# Altium PCB Davinci Resolve Editor Keyboard 4.PcbDoc
Units mm, origin at the board's own origin, x right, y up, seen from the top; angles counter-clockwise.
Board outline 162 x 124.18 mm, 2 copper layers (Top Layer, Bottom Layer); 196 components, 86 nets, 494 pads, 0 vias.
Unrouted connection lines stored in the file: 326.
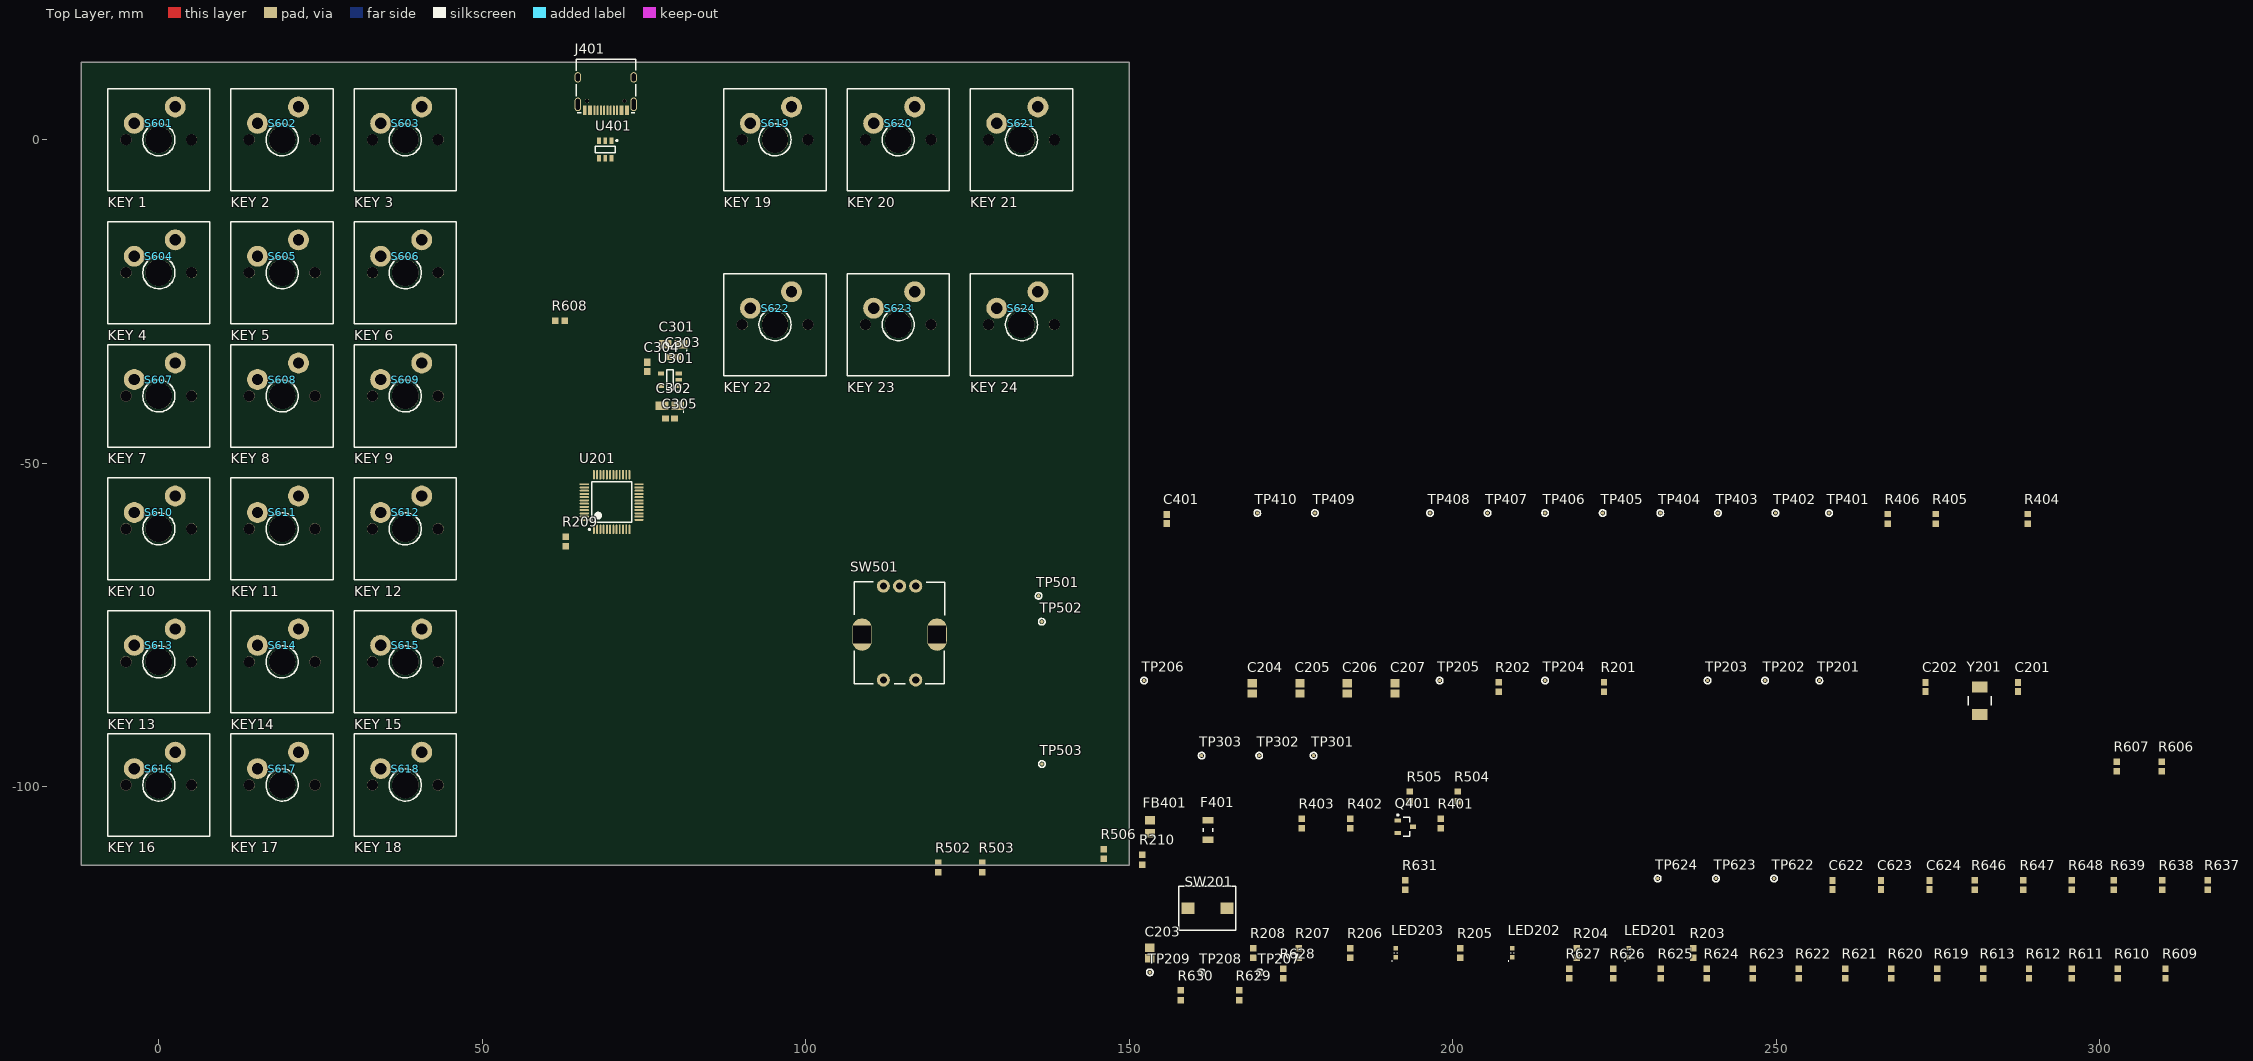
[diagram p0: Top Layer view]
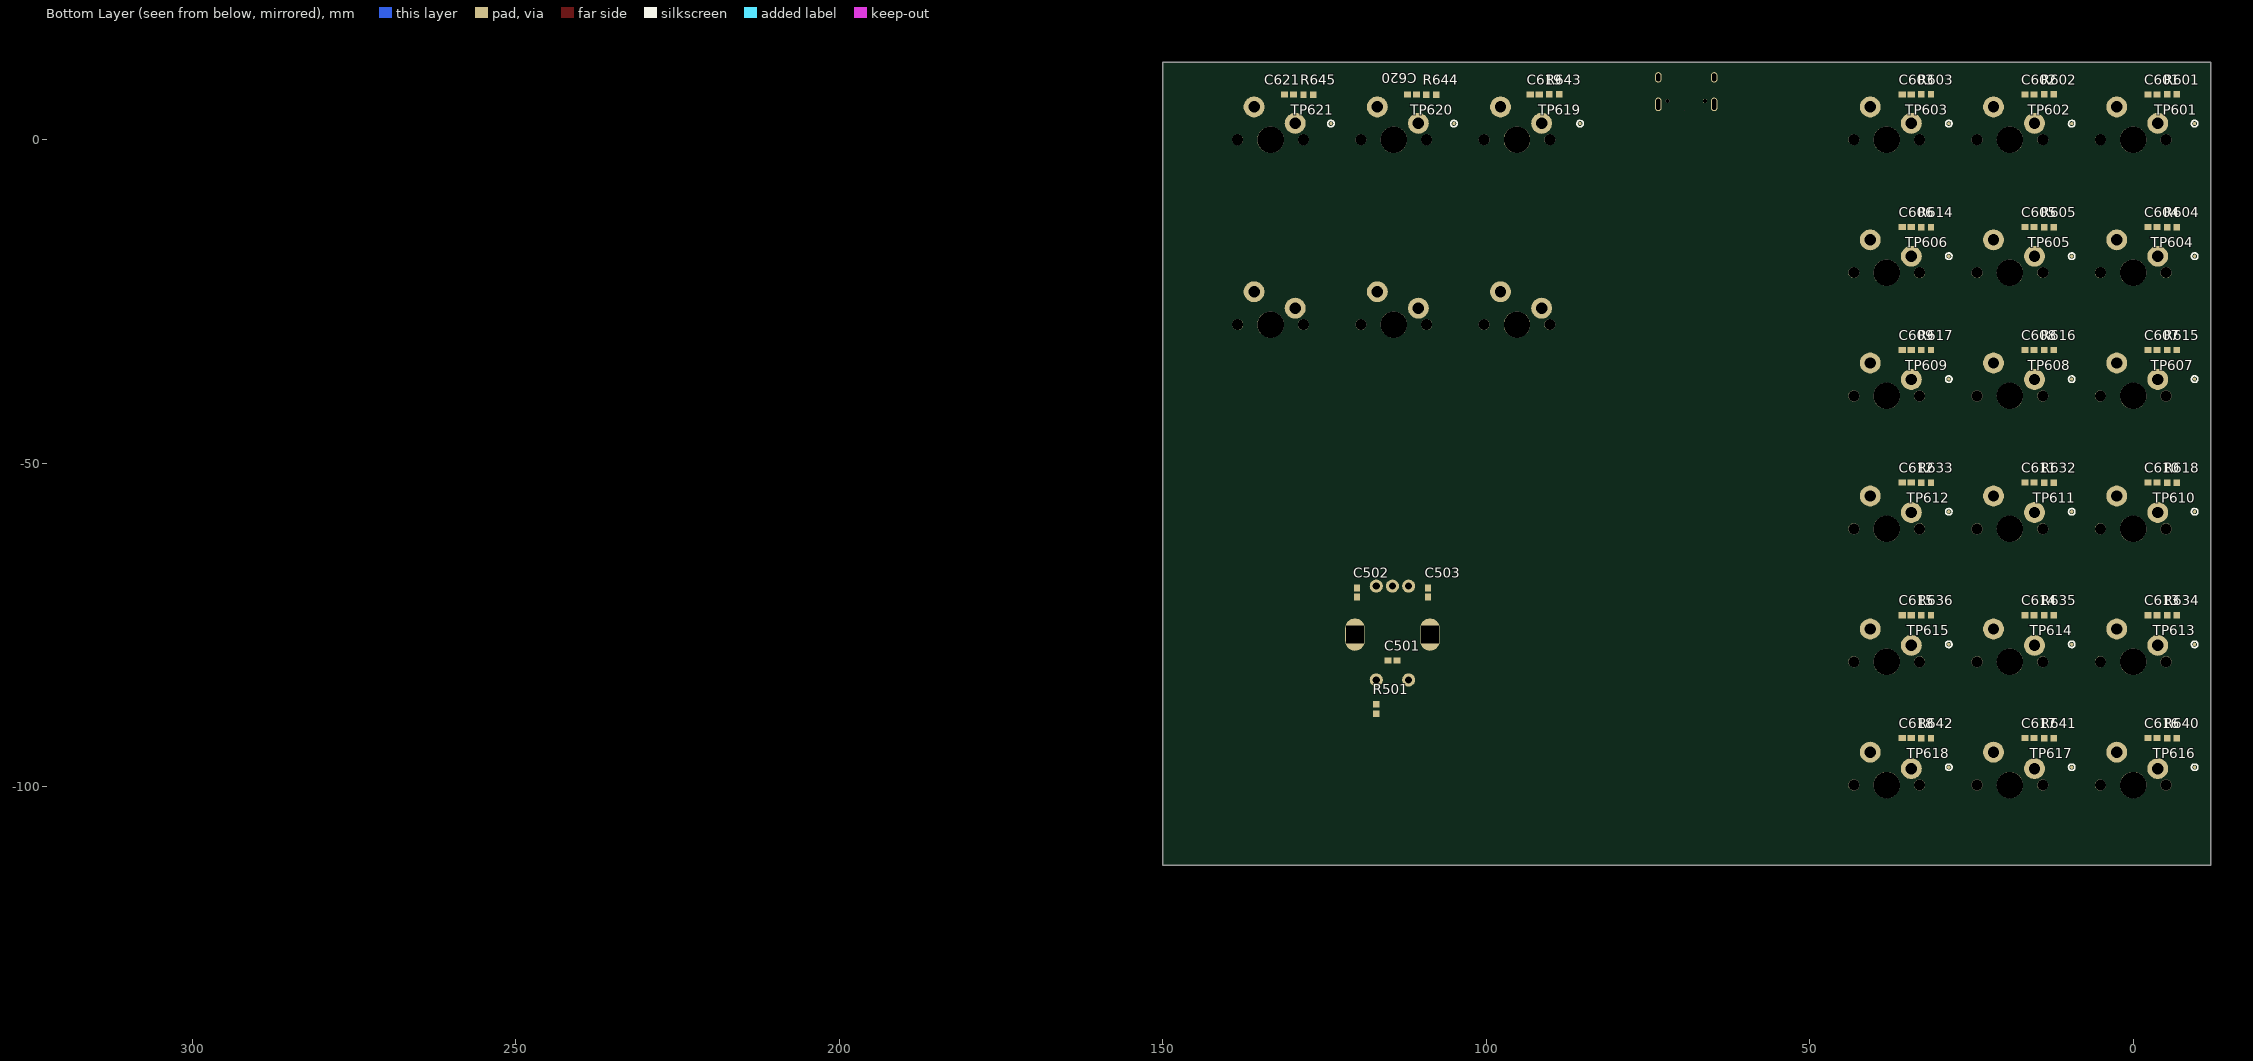
[diagram p1: Bottom Layer view, seen from below]

## Layer stack, top to bottom
Top Solder: solder mask 0.0102, Solder Resist, Dk 3.5
Top Layer: signal copper 0.0356
Dielectric 1: dielectric 0.32, FR-4, Dk 4.8
Bottom Layer: signal copper 0.0356
Bottom Solder: solder mask 0.0102, Solder Resist, Dk 3.5

## Board outline
-12,-112.179 -12,12 150,12 150,-112.179

## Design rules (kind name [scope] priority, off if disabled: settings)
Clearance [All] p1: gap=0.1 ignorepadtopadclearanceinfootprint=TRUE
ComponentClearance [All] p1: gap=0 collisioncheckmode=3 verticalgap=0 showdistances=FALSE
PolygonConnect [All] p1: connectstyle=Relief reliefconductorwidth=0.254 reliefentries=4 polygonreliefangle="90 Angle" airgapwidth=0.254
RoutingVias [All] p1: holewidth=0.711 width=1.27 viastyle="Through Hole" minholewidth=0.711 minwidth=1.27 maxholewidth=0.711 maxwidth=1.27
SolderMaskExpansion [All] p1: expansion=0.102 istentingtop=FALSE
Width [All] p1: maxlimit=0.2 minlimit=0.2 preferedwidth=0.2 minimp=50.000000 maximp=50.000000 favimp=50.000000
Width 5V_bus [InNet('+5V_VBUS')] p2: maxlimit=0.6 minlimit=0.3 preferedwidth=0.5
Width 5V_usb [InNet('+5V_USB')] p3: maxlimit=0.6 minlimit=0.3 preferedwidth=0.5
Width 3V3 [InNet('+3V3')] p4: maxlimit=0.6 minlimit=0.3 preferedwidth=0.5
29 further rules are at their usual default settings.

## Classes and differential pairs
component class U_USB: C401 F401 FB401 J401 Q401 R401 R402 R403 R404 R405 R406 TP401 TP402 TP403 TP404 TP405 TP406 TP407 TP408 TP409 TP410 U401
component class U_MCU: C201 C202 C203 C204 C205 C206 C207 LED201 LED202 LED203 R201 R202 R203 R204 R205 R206 R207 R208 R209 R210 SW201 TP201 TP202 TP203 TP204 TP205 TP206 TP207 TP208 TP209 U201 Y201
component class U_LDO: C301 C302 C303 C304 C305 TP301 TP302 TP303 U301
component class U_Encoder: C501 C502 C503 R501 R502 R503 R504 R505 R506 SW501 TP501 TP502 TP503
component class U_Buttons: C601 C602 C603 C604 C605 C606 C607 C608 C609 C610 C611 C612 C613 C614 C615 C616 C617 C618 C619 C620 C621 C622 C623 C624 R601 R602 R603 R604 R605 R606 R607 R608 R609 R610 R611 R612 R613 R614 R615 R616 R617 R618 R619 R620 R621 R622 R623 R624 R625 R626 R627 R628 R629 R630 R631 R632 R633 R634 R635 R636 R637 R638 R639 R640 R641 R642 R643 R644 R645 R646 R647 R648 S601 S602 S603 S604 S605 S606 S607 S608 S609 S610 S611 S612 S613 S614 S615 S616 S617 S618 S619 S620 S621 S622 S623 S624 TP601 TP602 TP603 TP604 TP605 TP606 TP607 TP608 TP609 TP610 TP611 TP612 TP613 TP614 TP615 TP616 TP617 TP618 TP619 TP620 TP621 TP622 TP623 TP624

## Components (designator, comment, footprint, x,y, rotation, side; value= is the part's Value field where it differs from the comment)
C201 "CAP-12P" CAPC0603 287.399,-84.6 r90 top
C202 "CAP-12P" CAPC0603 273.099,-84.6 r90 top
C203 "CAP-1U" CAPC0805 153.2,-125.7 r90 top
C204 "CAP-1U" CAPC0805 169,-84.8 r90 top
C205 "CAP-1U" CAPC0805 176.4,-84.8 r90 top
C206 "CAP-1U" CAPC0805 183.7,-84.8 r90 top
C207 "CAP-1U" CAPC0805 191.1,-84.8 r90 top
C301 "CAP-10U-6V3_A" CAPMP-A-1206-3216X18 79.5,-31.6 r180 top
C302 "CAP-10U-6V3_A" CAPMP-A-1206-3216X18 79,-41.1 r180 top
C303 "CAP-100N" CAPC0603 79.5,-33.6 r0 top
C304 "CAP-22N" CAPC0603 75.5,-35.1 r270 top
C305 "CAP-100N" CAPC0603 79,-43.1 r0 top
C401 "CAP-100N" CAPC0603 155.8,-58.6 r90 top
C501 "CAP-100N" CAPC0603 114.5,-80.5 r0 bottom
C502 "CAP-100N" CAPC0603 120,-70 r90 bottom
C503 "CAP-100N" CAPC0603 109,-70 r90 bottom
C601 "CAP-47N" CAPC0603 -3,7 r0 bottom
C602 "CAP-47N" CAPC0603 16,7 r0 bottom
C603 "CAP-47N" CAPC0603 35,7 r0 bottom
C604 "CAP-47N" CAPC0603 -3,-13.5 r0 bottom
C605 "CAP-47N" CAPC0603 16,-13.5 r0 bottom
C606 "CAP-47N" CAPC0603 35,-13.5 r0 bottom
C607 "CAP-47N" CAPC0603 -3,-32.5 r0 bottom
C608 "CAP-47N" CAPC0603 16,-32.5 r0 bottom
C609 "CAP-47N" CAPC0603 35,-32.5 r0 bottom
C610 "CAP-47N" CAPC0603 -3,-53 r0 bottom
C611 "CAP-47N" CAPC0603 16,-53 r0 bottom
C612 "CAP-47N" CAPC0603 35,-53 r0 bottom
C613 "CAP-47N" CAPC0603 -3,-73.5 r0 bottom
C614 "CAP-47N" CAPC0603 16,-73.5 r0 bottom
C615 "CAP-47N" CAPC0603 35,-73.5 r0 bottom
C616 "CAP-47N" CAPC0603 -3,-92.5 r0 bottom
C617 "CAP-47N" CAPC0603 16,-92.5 r0 bottom
C618 "CAP-47N" CAPC0603 35,-92.5 r0 bottom
C619 "CAP-47N" CAPC0603 92.5,7 r0 bottom
C620 "CAP-47N" CAPC0603 111.5,7 r0 bottom
C621 "CAP-47N" CAPC0603 130.5,7 r0 bottom
C622 "CAP-47N" CAPC0603 258.699,-115.2 r90 top
C623 "CAP-47N" CAPC0603 266.199,-115.2 r90 top
C624 "CAP-47N" CAPC0603 273.699,-115.2 r90 top
F401 "MF-NSMF150" PTC1206-BOURNS 162.2,-106.7 r90 top
FB401 "BLM21PG221SN1D" INDC-0805-2012X10 153.2,-106.2 r90 top
J401 "TYPE-C-31-M-12" TYPE-C-31-M-12 69.09,12.25 r180 top
LED201 "LSM0603443V" LSM0603-Series 227.2,-125.7 r90 top
LED202 "LSM0603443V" LSM0603-Series 209.2,-125.7 r90 top
LED203 "LSM0603443V" LSM0603-Series 191.2,-125.7 r90 top
Q401 "BC817-40" SOT23-3-AnBon 192.7,-106.2 r0 top
R201 "RES-100" RES0603 223.399,-84.6 r90 top
R202 "RES-100" RES0603 207.1,-84.6 r90 top
R203 "RES-100" RES0603 237.2,-125.7 r90 top
R204 "RES-22" RES0603 219.2,-125.7 r90 top
R205 "RES-22" RES0603 201.2,-125.7 r90 top
R206 "RES-22" RES0603 184.2,-125.7 r90 top
R207 "RES-10K" RES0603 176.2,-125.7 r90 top
R208 "RES-100" RES0603 169.2,-125.7 r90 top
R209 "RES-10K" RES0603 62.9,-62.1 r90 top
R210 "RES-470" RES0603 152.05,-111.3 r90 top
R401 "RES-47K" RES0603 198.2,-105.7 r90 top
R402 "RES-1K" RES0603 184.2,-105.7 r90 top
R403 "RES-10K" RES0603 176.7,-105.7 r90 top
R404 "RES-1K5" RES0603 288.9,-58.6 r90 top
R405 "RES-5K1" RES0603 274.7,-58.6 r90 top
R406 "RES-5K1" RES0603 267.3,-58.6 r90 top
R501 "RES-10K" RES0603 117,-88 r270 bottom
R502 "RES-10K" RES0603 120.5,-112.5 r90 top
R503 "RES-10K" RES0603 127.3,-112.5 r90 top
R504 "RES-100" RES0603 200.8,-101.5 r90 top
R505 "RES-100" RES0603 193.4,-101.5 r90 top
R506 "RES-100" RES0603 146.1,-110.4 r90 top
R601 "RES-6K8" RES0603 -6,7 r180 bottom
R602 "RES-6K8" RES0603 13,7 r180 bottom
R603 "RES-6K8" RES0603 32,7 r180 bottom
R604 "RES-6K8" RES0603 -6,-13.5 r180 bottom
R605 "RES-6K8" RES0603 13,-13.5 r180 bottom
R606 "RES-100" RES0603 309.599,-96.9 r90 top
R607 "RES-100" RES0603 302.699,-96.9 r90 top
R608 "RES-100" RES0603 62,-28 r0 top
R609 "RES-100" RES0603 310.199,-128.9 r90 top
R610 "RES-100" RES0603 302.799,-128.9 r90 top
R611 "RES-100" RES0603 295.699,-128.9 r90 top
R612 "RES-100" RES0603 289.099,-128.9 r90 top
R613 "RES-100" RES0603 281.999,-128.9 r90 top
R614 "RES-6K8" RES0603 32,-13.5 r180 bottom
R615 "RES-6K8" RES0603 -6,-32.5 r180 bottom
R616 "RES-6K8" RES0603 13,-32.5 r180 bottom
R617 "RES-6K8" RES0603 32,-32.5 r180 bottom
R618 "RES-6K8" RES0603 -6,-53 r180 bottom
R619 "RES-47" RES0603 274.899,-128.9 r90 top
R620 "RES-47" RES0603 267.799,-128.9 r90 top
R621 "RES-47" RES0603 260.699,-128.9 r90 top
R622 "RES-47" RES0603 253.499,-128.9 r90 top
R623 "RES-47" RES0603 246.399,-128.9 r90 top
R624 "RES-47" RES0603 239.299,-128.9 r90 top
R625 "RES-47" RES0603 232.199,-128.9 r90 top
R626 "RES-47" RES0603 224.799,-128.9 r90 top
R627 "RES-47" RES0603 217.999,-128.9 r90 top
R628 "RES-47" RES0603 173.799,-128.9 r90 top
R629 "RES-47" RES0603 167,-132.25 r90 top
R630 "RES-47" RES0603 158,-132.25 r90 top
R631 "RES-47" RES0603 192.7,-115.2 r90 top
R632 "RES-6K8" RES0603 13,-53 r180 bottom
R633 "RES-6K8" RES0603 32,-53 r180 bottom
R634 "RES-6K8" RES0603 -6,-73.5 r180 bottom
R635 "RES-6K8" RES0603 13,-73.5 r180 bottom
R636 "RES-6K8" RES0603 32,-73.5 r180 bottom
R637 "RES-47" RES0603 316.699,-115.2 r90 top
R638 "RES-47" RES0603 309.699,-115.2 r90 top
R639 "RES-47" RES0603 302.199,-115.2 r90 top
R640 "RES-6K8" RES0603 -6,-92.5 r180 bottom
R641 "RES-6K8" RES0603 13,-92.5 r180 bottom
R642 "RES-6K8" RES0603 32,-92.5 r180 bottom
R643 "RES-6K8" RES0603 89.5,7 r180 bottom
R644 "RES-6K8" RES0603 108.5,6.975 r180 bottom
R645 "RES-6K8" RES0603 127.5,6.975 r180 bottom
R646 "RES-6K8" RES0603 280.699,-115.2 r90 top
R647 "RES-6K8" RES0603 288.199,-115.2 r90 top
R648 "RES-6K8" RES0603 295.699,-115.2 r90 top
S601 "KEY 1" "CHERRY MX PCB WITHOUT LED" 0,0 r0 top
S602 "KEY 2" "CHERRY MX PCB WITHOUT LED" 19.05,0 r0 top
S603 "KEY 3" "CHERRY MX PCB WITHOUT LED" 38.1,0 r0 top
S604 "KEY 4" "CHERRY MX PCB WITHOUT LED" 0,-20.55 r0 top
S605 "KEY 5" "CHERRY MX PCB WITHOUT LED" 19.05,-20.55 r0 top
S606 "KEY 6" "CHERRY MX PCB WITHOUT LED" 38.1,-20.55 r0 top
S607 "KEY 7" "CHERRY MX PCB WITHOUT LED" 0,-39.6 r0 top
S608 "KEY 8" "CHERRY MX PCB WITHOUT LED" 19.05,-39.6 r0 top
S609 "KEY 9" "CHERRY MX PCB WITHOUT LED" 38.1,-39.6 r0 top
S610 "KEY 10" "CHERRY MX PCB WITHOUT LED" 0,-60.15 r0 top
S611 "KEY 11" "CHERRY MX PCB WITHOUT LED" 19.05,-60.15 r0 top
S612 "KEY 12" "CHERRY MX PCB WITHOUT LED" 38.1,-60.15 r0 top
S613 "KEY 13" "CHERRY MX PCB WITHOUT LED" 0,-80.7 r0 top
S614 "KEY14" "CHERRY MX PCB WITHOUT LED" 19.05,-80.7 r0 top
S615 "KEY 15" "CHERRY MX PCB WITHOUT LED" 38.1,-80.7 r0 top
S616 "KEY 16" "CHERRY MX PCB WITHOUT LED" 0,-99.75 r0 top
S617 "KEY 17" "CHERRY MX PCB WITHOUT LED" 19.05,-99.75 r0 top
S618 "KEY 18" "CHERRY MX PCB WITHOUT LED" 38.1,-99.75 r0 top
S619 "KEY 19" "CHERRY MX PCB WITHOUT LED" 95.25,0 r0 top
S620 "KEY 20" "CHERRY MX PCB WITHOUT LED" 114.3,0 r0 top
S621 "KEY 21" "CHERRY MX PCB WITHOUT LED" 133.35,0 r0 top
S622 "KEY 22" "CHERRY MX PCB WITHOUT LED" 95.25,-28.575 r0 top
S623 "KEY 23" "CHERRY MX PCB WITHOUT LED" 114.3,-28.575 r0 top
S624 "KEY 24" "CHERRY MX PCB WITHOUT LED" 133.35,-28.575 r0 top
SW201 "BOARD RESET" TL9210AF180Q 162.1,-118.8 r0 top
SW501 "EC11E15244G1" EC11E15244G1 114.5,-76.5 r180 top
TP201 "" TP_C-0.5mm 256.699,-83.6 r90 top
TP202 "" TP_C-0.5mm 248.299,-83.6 r90 top
TP203 "" TP_C-0.5mm 239.399,-83.6 r90 top
TP204 "" TP_C-0.5mm 214.3,-83.6 r90 top
TP205 "" TP_C-0.5mm 198,-83.6 r90 top
TP206 "" TP_C-0.5mm 152.3,-83.6 r90 top
TP207 "" TP_C-0.5mm 170.2,-128.7 r90 top
TP208 "" TP_C-0.5mm 161.2,-128.7 r90 top
TP209 "" TP_C-0.5mm 153.2,-128.7 r90 top
TP301 "" TP_C-0.5mm 178.5,-95.2 r90 top
TP302 "" TP_C-0.5mm 170.1,-95.2 r90 top
TP303 "" TP_C-0.5mm 161.2,-95.2 r90 top
TP401 "" TP_C-0.5mm 258.2,-57.7 r90 top
TP402 "" TP_C-0.5mm 249.9,-57.7 r90 top
TP403 "" TP_C-0.5mm 241,-57.7 r90 top
TP404 "" TP_C-0.5mm 232.1,-57.7 r90 top
TP405 "" TP_C-0.5mm 223.2,-57.7 r90 top
TP406 "" TP_C-0.5mm 214.3,-57.7 r90 top
TP407 "" TP_C-0.5mm 205.4,-57.7 r90 top
TP408 "" TP_C-0.5mm 196.5,-57.7 r90 top
TP409 "" TP_C-0.5mm 178.7,-57.7 r90 top
TP410 "" TP_C-0.5mm 169.8,-57.7 r90 top
TP501 "" TP_C-0.5mm 136,-70.5 r90 top
TP502 "" TP_C-0.5mm 136.5,-74.5 r90 top
TP503 "" TP_C-0.5mm 136.5,-96.5 r90 top
TP601 "" TP_C-0.5mm -9.5,2.5 r90 bottom
TP602 "" TP_C-0.5mm 9.5,2.5 r90 bottom
TP603 "" TP_C-0.5mm 28.5,2.5 r90 bottom
TP604 "" TP_C-0.5mm -9.5,-18 r90 bottom
TP605 "" TP_C-0.5mm 9.5,-18 r90 bottom
TP606 "" TP_C-0.5mm 28.5,-18 r90 bottom
TP607 "" TP_C-0.5mm -9.5,-37 r90 bottom
TP608 "" TP_C-0.5mm 9.5,-37 r90 bottom
TP609 "" TP_C-0.5mm 28.5,-37 r90 bottom
TP610 "" TP_C-0.5mm -9.5,-57.5 r90 bottom
TP611 "" TP_C-0.5mm 9.5,-57.5 r90 bottom
TP612 "" TP_C-0.5mm 28.5,-57.5 r90 bottom
TP613 "" TP_C-0.5mm -9.5,-78 r90 bottom
TP614 "" TP_C-0.5mm 9.5,-78 r90 bottom
TP615 "" TP_C-0.5mm 28.5,-78 r90 bottom
TP616 "" TP_C-0.5mm -9.5,-97 r90 bottom
TP617 "" TP_C-0.5mm 9.5,-97 r90 bottom
TP618 "" TP_C-0.5mm 28.5,-97 r90 bottom
TP619 "" TP_C-0.5mm 85.5,2.5 r90 bottom
TP620 "" TP_C-0.5mm 105,2.5 r90 bottom
TP621 "" TP_C-0.5mm 124,2.5 r90 bottom
TP622 "" TP_C-0.5mm 249.699,-114.2 r90 top
TP623 "" TP_C-0.5mm 240.699,-114.2 r90 top
TP624 "" TP_C-0.5mm 231.699,-114.2 r90 top
U201 "STM32F103CBT6" LQFP-48-STM32 70,-56 r90 top
U301 "RT9193-33GB" SOT-23-5-RICHTEK 79,-37.1 r180 top
U401 "USBLC6-2SC6" SOT23-6L-STM 69,-1.5 r270 top
Y201 "ABM3-8.000MHZ-D2Y-T" ABM3-2P 281.499,-86.7 r90 top

## Footprints (in the part's own frame and the unit in brackets; to place one, negate y for a bottom-side part, rotate by r counter-clockwise, add the part's x,y. Pads: shape width x height; smd on the part's side, far side on the other; paste and mask are expansions set on the pad)
ABM3-2P [mm] "MINIATURE CERAMIC SMD CRYSTAL, 2-Leads, Body 5,00x3,20mm, IPC Low Density"
  rect 1.7x2.4 smd: 1(-2.125,0) 2(2.125,0)
  silkscreen extent -0.7,-1.8 0.7,1.8, body extent -2.5,-1.6 2.5,1.6, height 1.35
CAPC0603 [mm] "Chip Capacitor, 2-Leads, Body 1,60x0,80mm, IPC Medium Density"
  rect 1.1x0.95 smd: 1(-0.7,0) 2(0.7,0)
  body extent -0.85,-0.45 0.85,0.45, height 0.9
CAPC0805 [mm] "Chip Capacitor, 2-Leads, Body 2,00x1,25mm, IPC Medium Density"
  rect 1.3x1.45 smd: 1(-0.8,0) 2(0.8,0)
  body extent -1.1,-0.72 1.1,0.72, height 1.45
CAPMP-A-1206-3216X18 [mm] "Molded Capacitor, 2-Leads, Body 3,20x1,65mm, IPC Medium Density"
  rect 1.95x1.3 smd: 1(-1.225,0) 2(1.225,0)
  silkscreen extent -2.15,0.9 -2.05,1, body extent -1.92,-0.9 1.92,0.9, height 1.8
"CHERRY MX PCB WITHOUT LED" [mil] "Direct mount on PCB"
  round 161 hole 161 unplated: MH1(0,0)
  round 67.2 hole 67.2 unplated: MH2(-200,0) MH3(200,0)
  round 127 hole 69: S1(-150,100) S2(100,200)
  silkscreen extent -311,-311 311,311, body extent -308,-308 306,306, height 612
EC11E15244G1 [mm]
  round 2.032 hole 1.1: 1(-2.5,-7.5) 2(0,-7.5) 3(2.5,-7.5) 4(-2.5,7) 5(2.5,7)
  oval 3x5 hole 2.7 square: SH1(-5.8,0) SH2(5.8,0)
  silkscreen extent -7,-8.2 7,7.6, body extent -6.54,-7.75 6.56,7.2, height 24.82
INDC-0805-2012X10 [mm] "Chip Inductor, 2-Leads, Body 2,00x1,25mm, IPC Low Density"
  rect 1.33x1.57 smd: 1(-0.985,0) 2(0.985,0)
  body extent -1.1,-0.72 1.1,0.72, height 1.05
LQFP-48-STM32 [mm] "TSQFP, 48-Leads, Body 7,00x7,00mm, Pitch 0,50mm, IPC Medium Density"
  oval 1.45x0.3 smd: 1(-4.225,2.75) 2(-4.225,2.25) 3(-4.225,1.75) 4(-4.225,1.25) 5(-4.225,0.75) 6(-4.225,0.25) 7(-4.225,-0.25) 8(-4.225,-0.75) 9(-4.225,-1.25) 10(-4.225,-1.75) 11(-4.225,-2.25) 12(-4.225,-2.75) 25(4.225,-2.75) 26(4.225,-2.25) 27(4.225,-1.75) 28(4.225,-1.25) 29(4.225,-0.75) 30(4.225,-0.25) 31(4.225,0.25) 32(4.225,0.75) 33(4.225,1.25) 34(4.225,1.75) 35(4.225,2.25) 36(4.225,2.75)
  oval 0.3x1.45 smd: 13(-2.75,-4.225) 14(-2.25,-4.225) 15(-1.75,-4.225) 16(-1.25,-4.225) 17(-0.75,-4.225) 18(-0.25,-4.225) 19(0.25,-4.225) 20(0.75,-4.225) 21(1.25,-4.225) 22(1.75,-4.225) 23(2.25,-4.225) 24(2.75,-4.225) 37(2.75,4.225) 38(2.25,4.225) 39(1.75,4.225) 40(1.25,4.225) 41(0.75,4.225) 42(0.25,4.225) 43(-0.25,4.225) 44(-0.75,4.225) 45(-1.25,4.225) 46(-1.75,4.225) 47(-2.25,4.225) 48(-2.75,4.225)
  silkscreen extent -4.35,-3.1 3.1,3.57, body extent -4.5,-4.5 4.5,4.5, height 1.6
LSM0603-Series [mm] "LED 0603"
  rect 0.7x0.7 smd: 1(-0.7,0) 2(0.7,0)
  silkscreen extent -1.31,-0.25 0.05,0.61, body extent -0.8,-0.35 0.8,0.35, height 0.7
PTC1206-BOURNS [mm] "PTC, 2-Leads, Body 3,20x1,60mm, IPC Low Density"
  rect 1x1.7 smd: 1(-1.5,0) 2(1.5,0)
  silkscreen extent -0.3,-0.75 0.3,0.75, body extent -1.7,-0.9 1.7,0.9, height 0.85
RES0603 [mm] "Chip Resistor, 2-Leads, Body 1,60x0,80mm, IPC Medium Density"
  rect 1x1 smd: 1(-0.75,0) 2(0.75,0)
  body extent -0.9,-0.5 0.9,0.5, height 0.55
SOT23-3-AnBon [mm] "SOT23, 3-Leads, Body 2,90x2,40mm, Pitch 0,95mm, IPC Medium Density"
  rect 0.95x0.65 smd: 1(-1.175,0.95) 2(-1.175,-0.95) 3(1.175,0)
  silkscreen extent -1.3,-1.5 0.7,1.95, body extent -1.25,-1.5 1.25,1.5, height 1.1
SOT23-6L-STM [mm] "SOT23, 6-Leads, Body 2,93x2,80mm, Pitch 0,95mm, IPC Medium Density"
  rect 1x0.6 smd: 1(-1.375,0.95) 2(-1.375,0) 3(-1.375,-0.95) 4(1.375,-0.95) 5(1.375,0) 6(1.375,0.95)
  silkscreen extent -1.5,-1.55 0.5,1.93, body extent -1.5,-1.53 1.5,1.53, height 1.45
SOT-23-5-RICHTEK [mm] "SOT23, 5-Leads, Body 2,90x2,80mm, Pitch 0,95mm, IPC Medium Density"
  rect 1x0.6 smd: 1(-1.375,0.95) 2(-1.375,0) 3(-1.375,-0.95) 4(1.375,-0.95) 5(1.375,0.95)
  silkscreen extent -1.5,-1.55 0.5,1.92, body extent -1.5,-1.53 1.5,1.53, height 1.45
TL9210AF180Q [mm] "Soft Feel Button, 2-Leads, Body 8,00x1,80mm, IPC Low Density"
  rect 2x1.8 smd: SW1(-3,0) SW2(3,0)
  silkscreen extent -4.4,-3.4 4.4,3.4, body extent -3.14,-2.96 3.14,2.96, height 4.95
TP_C-0.5mm [mm]
  round 0.5 smd: 1(0,0)
  silkscreen extent -0.5,-0.5 0.5,0.5
TYPE-C-31-M-12 [mm] "USB Type-C Korean Hroparts Elec"
  rect 0.3x1.45 smd: A1(-3.4,7.7) A4(-2.6,7.7) A9(2.6,7.7) A12(3.4,7.7) B1(3.1,7.7) B4(2.3,7.7) B9(-2.3,7.7) B12(-3.1,7.7)
  rrect50% 0.3x1.45 smd: A5(-1.25,7.7) A6(-0.25,7.7) A7(0.25,7.7) A8(1.25,7.7) B5(1.75,7.7) B6(0.75,7.7) B7(-0.75,7.7) B8(-1.75,7.7)
  round 0.65 hole 0.65 unplated mask+0.102: MH1(-2.89,6.25) MH2(2.89,6.25)
  oval 1x2.1 hole 1.7 slot 0.6 at 0 deg: SH1(-4.32,6.78) SH2(4.32,6.78)
  oval 1x1.6 hole 1.2 slot 0.6 at 0 deg: SH3(-4.32,2.6) SH4(4.32,2.6)
  silkscreen extent -4.6,-0.2 4.6,8.1, body extent -4.47,0 4.48,7.9, height 3.16

## Part data
C201 C202: "Chip Capacitor, 12 pF, +/- 5%", Capacitance="12 pF", Tolerance="5 %", Voltage Rating="50 V", Mount="Surface Mount", Type=Capacitor
C203 C204 C205 C206 C207: "Chip Capacitor, 1 uF, +/- 5%", Capacitance="1 uF", Tolerance="5 %", Voltage Rating="50 V", Mount="Surface Mount", Type=Capacitor
C301 C302: "10uF ±10% 6.3V -55℃ ~ +125℃ Tantalum Capacitors", Capacitance="10 uF", PartNumber=TAJA106K006RNJ, Voltage Rating="6.3 V", Mount="Surface Mount", Type="Tantalum Capacitor"
C303 C305 C401 C501 C502 C503: "Chip Capacitor, 100 nF, +/- 5%", Capacitance="100 nF", Tolerance="5 %", Voltage Rating="50 V", Mount="Surface Mount", Type=Capacitor
C304: "Chip Capacitor, 22 nF, +/- 5%", Capacitance="22 nF", Tolerance="5 %", Voltage Rating="50 V", Mount="Surface Mount", Type=Capacitor
C601 C602 C603 C604 C605 C606 C607 C608 C609 C610 C611 C612 C613 C614 C615 C616 C617 C618 C619 C620 C621 C622 C623 C624: "Chip Capacitor, 47 nF, +/- 5%", Capacitance="47 nF", Tolerance="5 %", Voltage Rating="50 V", Mount="Surface Mount", Type=Capacitor
F401: "PTC Resettable Fuses 6V 1.5A", Mount="Surface Mount", PartNumber=MF-NSMF150, Type=Fuse
FB401: "220Ω @ 100MHz 2A 45mΩ 0805 Ferrite Beads", DC Current="2 A", Impedance="220 Ohm", Mount="Surface Mount", PartNumber=BLM21PG221SN1D, Type="Ferrite Bead"
J401: "USB - Type C Female 16 8.94*7.3mm USB Connectors", Mount="Surface Mount", PartNumber=TYPE-C-31-M-12, Type=Connector
LED201 LED202 LED203: "White LED 0603 3V 20mA", Color=White, Mount="Surface Mount", PartNumber=LSM0603443V, Type=LED
Q401: "NPN 500mA 45V 300mW SOT-23, hFE 250-600", Package=SOT23-3, Mount="Surface Mount", PartNumber=BC817-40, Type=Transistor
R201 R202 R203 R208 R504 R505 R506 R606 R607 R608 R609 R610 R611 R612 R613: "Chip Resistor, 100 Ohm, +/- 1%", Resistance="100 Ohm", Tolerance="1 %", Voltage Rating="50 V", Mount="Surface Mount", Type=Resistor
R204 R205 R206: "Chip Resistor, 22 Ohm, +/- 1%", Resistance="22 Ohm", Tolerance="1 %", Voltage Rating="50 V", Mount="Surface Mount", Type=Resistor
R207 R209 R403 R501 R502 R503: "Chip Resistor, 10 KOhm, +/- 1%", Resistance="10 KOhm", Tolerance="1 %", Voltage Rating="50 V", Mount="Surface Mount", Type=Resistor
R210: "Chip Resistor, 470 Ohm, +/- 1%", Resistance="470 Ohm", Tolerance="1 %", Voltage Rating="50 V", Mount="Surface Mount", Type=Resistor
R401: "Chip Resistor, 47 KOhm, +/- 1%", Resistance="47 KOhm", Tolerance="1 %", Voltage Rating="50 V", Mount="Surface Mount", Type=Resistor
R402: "Chip Resistor, 1 KOhm, +/- 1%", Resistance="1 KOhm", Tolerance="1 %", Voltage Rating="50 V", Mount="Surface Mount", Type=Resistor
R404: "Chip Resistor, 1.5 KOhm, +/- 1%", Resistance="1.5 KOhm", Tolerance="1 %", Voltage Rating="50 V", Mount="Surface Mount", Type=Resistor
R405 R406: "Chip Resistor, 5.1 KOhm, +/- 1%", Resistance="5.1 KOhm", Tolerance="1 %", Voltage Rating="50 V", Mount="Surface Mount", Type=Resistor
R601 R602 R603 R604 R605 R614 R615 R616 R617 R618 R632 R633 R634 R635 R636 R640 R641 R642 R643 R644 R645 R646 R647 R648: "Chip Resistor, 6.8 KOhm, +/- 1%", Resistance="6.8 KOhm", Tolerance="1 %", Voltage Rating="50 V", Mount="Surface Mount", Type=Resistor
R619 R620 R621 R622 R623 R624 R625 R626 R627 R628 R629 R630 R631 R637 R638 R639: "Chip Resistor, 47 Ohm, +/- 1%", Resistance="47 Ohm", Tolerance="1 %", Voltage Rating="50 V", Mount="Surface Mount", Type=Resistor
S601 S602 S603 S604 S605 S606 S607 S608 S609 S610 S611 S612 S613 S614 S615 S616 S617 S618 S619 S620 S621 S622 S623 S624: library part MX1A-G1NB, "CHERRY MX Brown RGB Keyswitch 55cN", Model=MX1A-G1NB, Mount="Through Hole", Type=Switch
SW201: library part TL9210AF180Q, "SMD Tactile Switch, SPST, 180 gf, 12 VDC, 50 mA", Model=TL9210AF180Q, Mount="Surface Mount", Type="Tactile Switch Soft"
SW501: "11mm Size Metal Shaft Type Encoder", Manufacture=Alpsalpine, LengthShaft="20 mm", Mount="True Hole", NumberPulse=15, PartNumber=EC11E15244G1, Type=Encoder
TP201 TP202 TP203 TP204 TP205 TP206 TP207 TP208 TP209 TP301 TP302 TP303 TP401 TP402 TP403 TP404 TP405 TP406 TP407 TP408 TP409 TP410 TP501 TP502 TP503 TP601 TP602 TP603 TP604 TP605 TP606 TP607 TP608 TP609 TP610 TP611 TP612 TP613 TP614 TP615 TP616 TP617 TP618 TP619 TP620 TP621 TP622 TP623 TP624: library part TestPad
U201: library part STM32F103C8T6, "ARM based 32-bit MCU with 64 or 128 KB Flash", Digit="32 bit", Mount="Surface Mount", PartNumber=STM32F103CBT6, Type=Microcontroller
U301: "Fixed 5.5V 3.3V 220mV @ 300mA SOT-23-5 Dropout Regulators(LDO)", Package=SOT-23-5, Mount="Surface Mount", PartNumber=RT9193-33GB, Type=LDO
U401: "Very low capacitance ESD protection  3.5 pF max", ESD="25 kV", Mount="Surface Mount", PartNumber=USBLC6-2SC6, Type="TVS Diode"
Y201: "8MHz ±20ppm 18pF 140 Ohm SMD Crystal Resonators", Frequency="8 MHz", Mount="Surface Mount", PartNumber=ABM3-8.000MHZ-D2Y-T, Type="Quartz Crystal Resonator"

## Nets (pads, with @x,y where several pads share a name; then routed paths per layer and width w, separated by ;. In a path a pad name is that pad's centre, name@x,y a point inside that pad or via, vN(x,y) a via of type N, cw(c..) or ccw(c..) an arc to the next point about the centre after c; other vN are vias at no path point)
+3V3: C204.2 C205.2 C206.2 C207.2 C302.1 C305.2 LED201.2 LED202.2 LED203.2 Q401.3 R207.2 R401.2 R501.2 R502.2 R503.2 R601.2 R602.2 R603.2 R604.2 R605.2 R614.2 R615.2 R616.2 R617.2 R618.2 R632.2 R633.2 R634.2 R635.2 R636.2 R640.2 R641.2 R642.2 R643.2 R644.2 R645.2 R646.2 R647.2 R648.2 TP302.1 U201.1 U201.9 U201.24 U201.36 U201.48 U301.5
+5V: C301.1 C303.2 FB401.2 TP402.1 U301.1 U301.3
+5V_VBUS: F401.1 J401.A4 J401.A9 J401.B4 J401.B9 TP403.1
+5V_VBUS_FUSE: C401.2 F401.2 FB401.1 U401.5
CON_CC1_4: J401.A5 R405.2 TP409.1
CON_CC2_4: J401.B5 R406.2 TP410.1
CON_USB_4_N: J401.A7 J401.B7 TP408.1 U401.3
CON_USB_4_P: J401.A6 J401.B6 TP407.1 U401.1 | length 0
  Top Layer w0.2: J401.A6 J401.A6@69.35,4.54
ENC_KEY_5: C501.2 R501.1 R506.1 SW501.4 TP503.1
ENC_PHASE_A_5: C502.2 R502.1 R504.1 SW501.1 TP501.1
ENC_PHASE_B_5: C503.2 R503.1 R505.1 SW501.3 TP502.1
GND: C201.1 C202.1 C203.2 C204.1 C205.1 C206.1 C207.1 C301.2 C302.2 C303.1 C304.1 C305.1 C401.1 C501.1 C502.1 C503.1 C601.2 C602.2 C603.2 C604.2 C605.2 C606.2 C607.2 C608.2 C609.2 C610.2 C611.2 C612.2 C613.2 C614.2 C615.2 C616.2 C617.2 C618.2 C619.2 C620.2 C621.2 C622.2 C623.2 C624.2 J401.A1 J401.A12 J401.B1 J401.B12 R209.2 R403.1 R405.1 R406.1 S601.S2 S602.S2 S603.S2 S604.S2 S605.S2 S606.S2 S607.S2 S608.S2 S609.S2 S610.S2 S611.S2 S612.S2 S613.S2 S614.S2 S615.S2 S616.S2 S617.S2 S618.S2 S619.S2 S620.S2 S621.S2 S622.S2 S623.S2 S624.S2 SW201.SW2 SW501.2 SW501.5 SW501.SH1 SW501.SH2 TP301.1 TP401.1 U201.8 U201.23 U201.35 U201.47 U301.4 U401.2
KEY_1_6: C601.1 R601.1 R606.1 S601.S1 TP601.1
KEY_2_6: C602.1 R602.1 R607.1 S602.S1 TP602.1
KEY_3_6: C603.1 R603.1 R608.1 S603.S1 TP603.1
KEY_4_6: C604.1 R604.1 R609.1 S604.S1 TP604.1
KEY_5_6: C605.1 R605.1 R610.1 S605.S1 TP605.1
KEY_6_6: C606.1 R611.1 R614.1 S606.S1 TP606.1
KEY_7_6: C607.1 R612.1 R615.1 S607.S1 TP607.1
KEY_8_6: C608.1 R613.1 R616.1 S608.S1 TP608.1
KEY_9_6: C609.1 R617.1 R619.1 S609.S1 TP609.1
KEY_10_6: C610.1 R618.1 R620.1 S610.S1 TP610.1
KEY_11_6: C611.1 R621.1 R632.1 S611.S1 TP611.1
KEY_12_6: C612.1 R622.1 R633.1 S612.S1 TP612.1
KEY_13_6: C613.1 R623.1 R634.1 S613.S1 TP613.1
KEY_14_6: C614.1 R624.1 R635.1 S614.S1 TP614.1
KEY_15_6: C615.1 R625.1 R636.1 S615.S1 TP615.1
KEY_16_6: C616.1 R626.1 R640.1 S616.S1 TP616.1
KEY_17_6: C617.1 R627.1 R641.1 S617.S1 TP617.1
KEY_18_6: C618.1 R628.1 R642.1 S618.S1 TP618.1
KEY_19_6: C619.1 R629.1 R643.1 S619.S1 TP619.1
KEY_20_6: C620.1 R630.1 R644.1 S620.S1 TP620.1
KEY_21_6: C621.1 R631.1 R645.1 S621.S1 TP621.1
KEY_22_6: C622.1 R637.1 R646.1 S622.S1 TP622.1
KEY_23_6: C623.1 R638.1 R647.1 S623.S1 TP623.1
KEY_24_6: C624.1 R639.1 R648.1 S624.S1 TP624.1
NetC202_2: C202.2 R210.2 Y201.1
NetLED201_1: LED201.1 R204.1
NetLED202_1: LED202.1 R205.1
NetLED203_1: LED203.1 R206.1
NetQ401_2: Q401.2 R404.1
RESET_2: C203.1 R207.1 R208.2 SW201.SW1
RT_BYPASS_3: C304.2 TP303.1 U301.2
STM_BOOT0_2: R209.1 TP203.1 U201.44
STM_BOOT1_USB_DISC: R402.2 U201.20
STM_KEY_1: R606.2 U201.40
STM_KEY_2: R607.2 U201.39
STM_KEY_3: R608.2 U201.38
STM_KEY_4: R609.2 U201.43
STM_KEY_5: R610.2 U201.42
STM_KEY_6: R611.2 U201.41
STM_KEY_7: R612.2 U201.2
STM_KEY_8: R613.2 U201.46
STM_KEY_9: R619.2 U201.45
STM_KEY_10: R620.2 U201.10
STM_KEY_11: R621.2 U201.4
STM_KEY_12: R622.2 U201.3
STM_KEY_13: R623.2 U201.13
STM_KEY_14: R624.2 U201.12
STM_KEY_15: R625.2 U201.11
STM_KEY_16: R626.2 U201.14
STM_KEY_17: R627.2 U201.15
STM_KEY_18: R628.2 U201.16
STM_KEY_19: R629.2 U201.31
STM_KEY_20: R630.2 U201.30
STM_KEY_21: R631.2 U201.29
STM_KEY_22: R637.2 U201.28
STM_KEY_22_L_1_2: R204.2 TP207.1 U201.21
STM_KEY_23: R638.2 U201.26
STM_KEY_23_L_2_2: R205.2 TP208.1 U201.25
STM_KEY_24: R639.2 U201.22
STM_KEY_24_L_3_2: R206.2 TP209.1 U201.27
STM_KEY_25: R506.2 U201.17
STM_NRST_2: R203.1 R208.1 U201.7
STM_OSC_IN_2: C201.2 TP201.1 U201.5 Y201.2
STM_OSC_OUT_2: R210.1 TP202.1 U201.6
STM_PHASE_A: R504.2 U201.19
STM_PHASE_B: R505.2 U201.18
STM_SWD_CLK_2: R202.1 U201.37
STM_SWD_IO_2: R201.1 U201.34
STM_USB_N: TP406.1 U201.32 U401.4
STM_USB_P: R404.2 TP405.1 U201.33 U401.6
TP_CLK_2: R202.2 TP205.1
TP_IO_2: R201.2 TP204.1
TP_RST_2: R203.2 TP206.1
USB_DISC_4: Q401.1 R401.1 R402.1 R403.2 TP404.1
pads on no net: J401.A8 J401.B8 J401.MH1 J401.MH2 J401.SH1 J401.SH2 J401.SH3 J401.SH4 S601.MH1 S601.MH2 S601.MH3 S602.MH1 S602.MH2 S602.MH3 S603.MH1 S603.MH2 S603.MH3 S604.MH1 S604.MH2 S604.MH3 S605.MH1 S605.MH2 S605.MH3 S606.MH1 S606.MH2 S606.MH3 S607.MH1 S607.MH2 S607.MH3 S608.MH1 S608.MH2 S608.MH3 S609.MH1 S609.MH2 S609.MH3 S610.MH1 S610.MH2 S610.MH3 S611.MH1 S611.MH2 S611.MH3 S612.MH1 S612.MH2 S612.MH3 S613.MH1 S613.MH2 S613.MH3 S614.MH1 S614.MH2 S614.MH3 S615.MH1 S615.MH2 S615.MH3 S616.MH1 S616.MH2 S616.MH3 S617.MH1 S617.MH2 S617.MH3 S618.MH1 S618.MH2 S618.MH3 S619.MH1 S619.MH2 S619.MH3 S620.MH1 S620.MH2 S620.MH3 S621.MH1 S621.MH2 S621.MH3 S622.MH1 S622.MH2 S622.MH3 S623.MH1 S623.MH2 S623.MH3 S624.MH1 S624.MH2 S624.MH3

## Silkscreen, mask and mechanical layers (free items; w line width, h text height)
Assembly Notes:
  lines w0.5: 69,-111.7 69,12.4
Board:
  the board outline again, w0.4